# KiCad board AurisenseV2-rounded.kicad_pcb (continued)
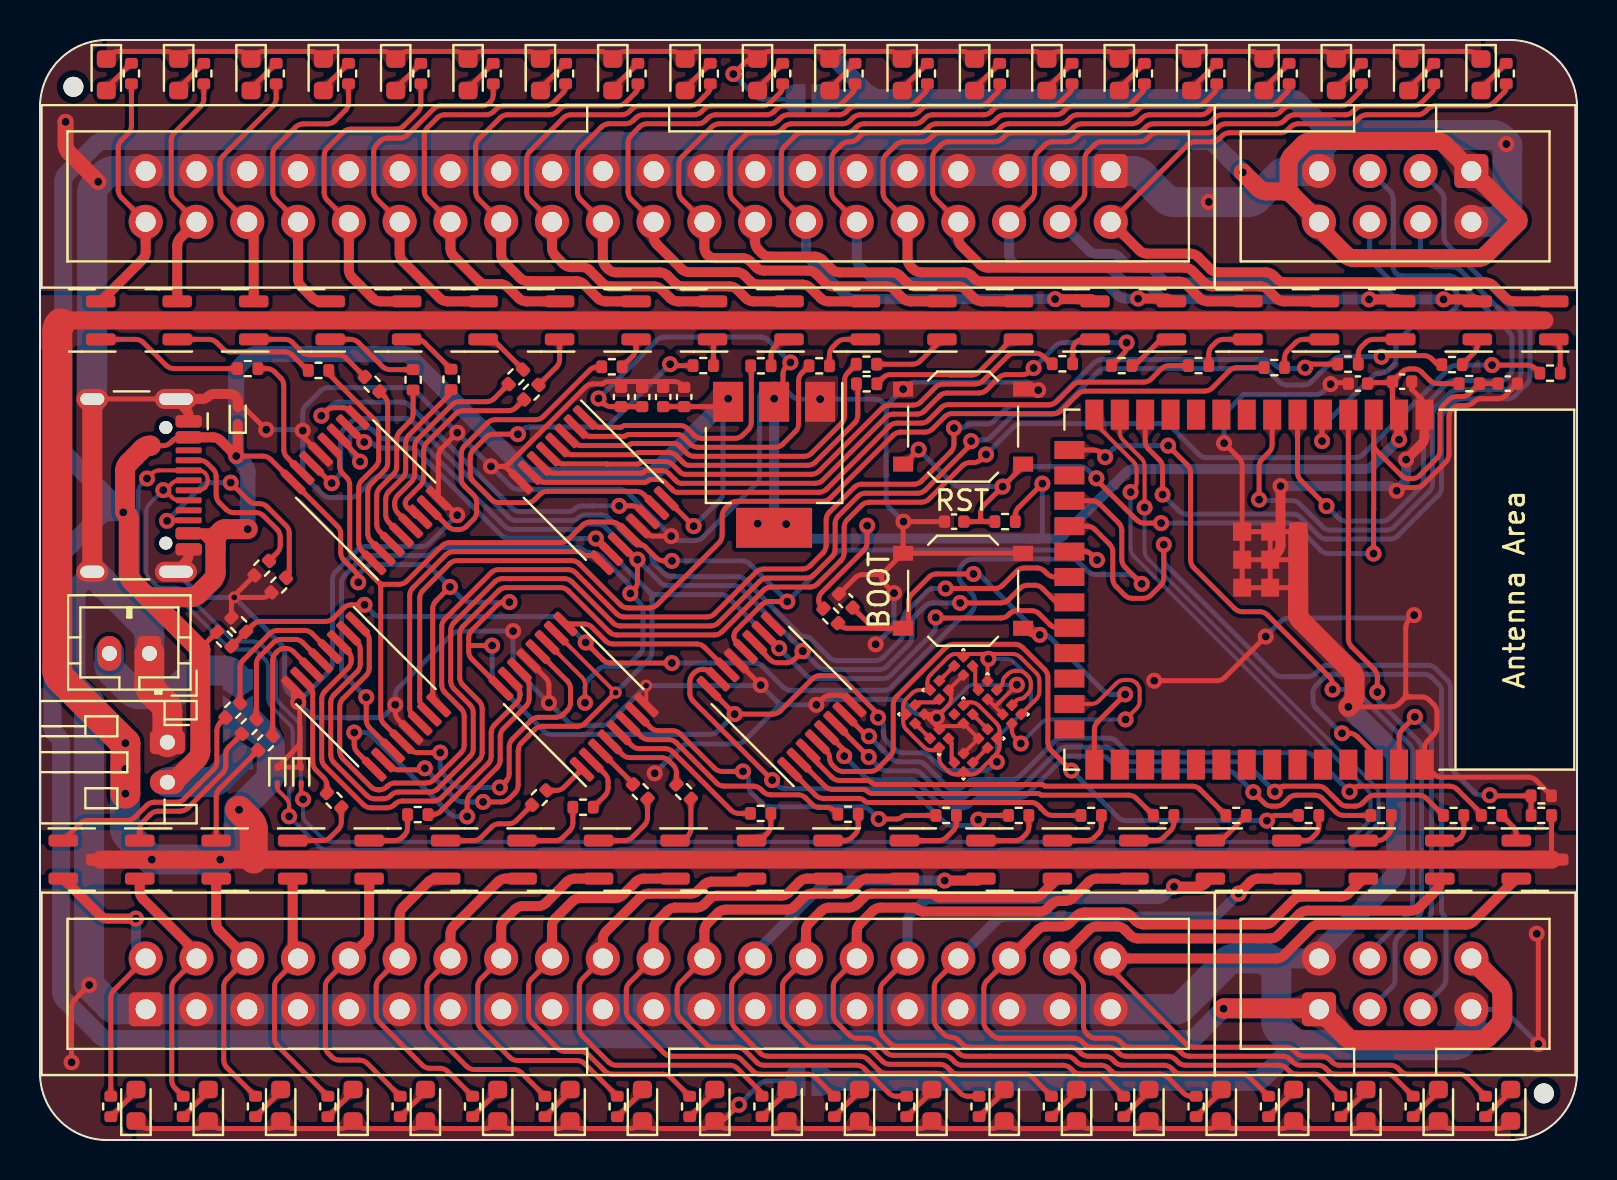
[diagram p0: board, top side]
## Nets (continued)
V Motor: JP1.2 Q1.3 Q2.3 Q3.3 Q4.3 Q5.3 Q6.3 Q7.3 Q8.3 Q9.3 Q10.3 Q11.3 Q12.3 Q13.3 Q14.3 Q15.3 Q16.3 Q17.3 Q18.3 Q19.3 Q20.3 Q21.3 Q22.3 Q23.3 Q24.3 Q25.3 Q26.3 Q27.3 Q28.3 Q29.3 Q30.3 Q31.3 Q32.3 Q33.3 Q34.3 Q35.3 Q36.3 Q37.3 Q38.3 Q39.3 Q40.3 R88.2
Net-(D1-A): D1.2 R2.2
Net-(D2-A): D2.2 R4.2
Net-(D3-A): D3.2 R6.2
Net-(D4-A): D4.2 R8.2
Net-(D5-A): D5.2 R10.2
Net-(D6-A): D6.2 R12.2
Net-(D7-A): D7.2 R14.2
Net-(D8-A): D8.2 R16.2
Net-(D9-A): D9.2 R18.2
Net-(D10-A): D10.2 R20.2
Net-(D11-A): D11.2 R22.2
Net-(D12-A): D12.2 R24.2
Net-(D13-A): D13.2 R26.2
Net-(D14-A): D14.2 R28.2
Net-(D15-A): D15.2 R30.2
Net-(D16-A): D16.2 R32.2
Net-(D17-A): D17.2 R34.2
Net-(D18-A): D18.2 R36.2
Net-(D19-A): D19.2 R38.2
Net-(D20-A): D20.2 R40.2
Net-(D21-A): D21.2 R42.2
Net-(D22-A): D22.2 R44.2
Net-(D23-A): D23.2 R46.2
Net-(D24-A): D24.2 R48.2
Net-(D25-A): D25.2 R50.2
Net-(D26-A): D26.2 R52.2
Net-(D27-A): D27.2 R54.2
Net-(D28-A): D28.2 R56.2
Net-(D29-A): D29.2 R59.2
Net-(D30-A): D30.2 R61.2
Net-(D31-A): D31.2 R63.2
Net-(D32-A): D32.2 R65.2
Net-(D37-A): D37.2 R78.2
Net-(D38-A): D38.2 R79.2
Net-(D39-A): D39.2 R80.2
Net-(D40-A): D40.2 R81.2
Net-(D41-A): D41.2 R82.2
Net-(D42-A): D42.2 R83.2
Net-(D43-A): D43.2 R84.2
Net-(D44-A): D44.2 R85.2
Net-(Q1-G): Q1.1 R1.2
Net-(Q2-G): Q2.1 R3.2
Net-(Q3-G): Q3.1 R5.2
Net-(Q4-G): Q4.1 R7.2
Net-(Q5-G): Q5.1 R9.2
Net-(Q6-G): Q6.1 R11.2
Net-(Q7-G): Q7.1 R13.2
Net-(Q8-G): Q8.1 R15.2
Net-(Q9-G): Q9.1 R17.2
Net-(Q10-G): Q10.1 R19.2
Net-(Q11-G): Q11.1 R21.2
Net-(Q12-G): Q12.1 R23.2
Net-(Q13-G): Q13.1 R25.2
Net-(Q14-G): Q14.1 R27.2
Net-(Q15-G): Q15.1 R29.2
Net-(Q16-G): Q16.1 R31.2
Net-(Q17-G): Q17.1 R33.2
Net-(Q18-G): Q18.1 R35.2
Net-(Q19-G): Q19.1 R37.2
Net-(Q20-G): Q20.1 R39.2
Net-(Q21-G): Q21.1 R41.2
Net-(Q22-G): Q22.1 R43.2
Net-(Q23-G): Q23.1 R45.2
Net-(Q24-G): Q24.1 R47.2
Net-(Q25-G): Q25.1 R49.2
Net-(Q26-G): Q26.1 R51.2
Net-(Q27-G): Q27.1 R53.2
Net-(Q28-G): Q28.1 R55.2
Net-(Q29-G): Q29.1 R57.2
Net-(Q30-G): Q30.1 R60.2
Net-(Q31-G): Q31.1 R62.2
Net-(Q32-G): Q32.1 R64.2
Net-(Q33-G): Q33.1 R70.2
Net-(Q34-G): Q34.1 R71.2
Net-(Q35-G): Q35.1 R72.2
Net-(Q36-G): Q36.1 R73.2
Net-(Q37-G): Q37.1 R74.2
Net-(Q38-G): Q38.1 R75.2
Net-(Q39-G): Q39.1 R76.2
Net-(Q40-G): Q40.1 R77.2
Net-(U2-QA): R1.1 U2.15
Net-(U2-QB): R3.1 U2.1
Net-(U2-QC): R5.1 U2.2
Net-(U2-QD): R7.1 U2.3
Net-(U2-QE): R9.1 U2.4
Net-(U2-QF): R11.1 U2.5
Net-(U2-QG): R13.1 U2.6
Net-(U2-QH): R15.1 U2.7
Net-(U4-QA): R70.1 U4.15
Net-(U4-QB): R71.1 U4.1
Net-(U4-QC): R72.1 U4.2
Net-(U4-QD): R73.1 U4.3
Net-(U4-QE): R74.1 U4.4
Net-(U4-QF): R75.1 U4.5
Net-(U4-QG): R76.1 U4.6
Net-(U4-QH): R77.1 U4.7
Net-(U5-DOUT): U5.1 U7.4
Net-(U6-QA): R17.1 U6.15
Net-(U6-QB): R19.1 U6.1
Net-(U6-QC): R21.1 U6.2
Net-(U6-QD): R23.1 U6.3
Net-(U6-QE): R25.1 U6.4
Net-(U6-QF): R27.1 U6.5
Net-(U6-QG): R29.1 U6.6
Net-(U6-QH): R31.1 U6.7
Net-(U7-DOUT): U7.1 U8.4
Net-(U9-QA): R33.1 U9.15
Net-(U9-QB): R35.1 U9.1
Net-(U9-QC): R37.1 U9.2
Net-(U9-QD): R39.1 U9.3
Net-(U9-QE): R41.1 U9.4
Net-(U9-QF): R43.1 U9.5
Net-(U9-QG): R45.1 U9.6
Net-(U9-QH): R47.1 U9.7
Net-(U10-DIN): U8.1 U10.4
Net-(U10-DOUT): U10.1 U12.4
Net-(U11-QA): R49.1 U11.15
Net-(U11-QB): R51.1 U11.1
Net-(U11-QC): R53.1 U11.2
Net-(U11-QD): R55.1 U11.3
Net-(U11-QE): R57.1 U11.4
Net-(U11-QF): R60.1 U11.5
Net-(U11-QG): R62.1 U11.6
Net-(U11-QH): R64.1 U11.7
Net-(U12-DOUT): U12.1 U13.4
Net-(U13-DOUT): U13.1 U14.4
Net-(U14-DOUT): U14.1 U15.4
Net-(U15-DOUT): U15.1 U16.4

Pads without a net: J1 A8 B8; U1 8 9 10 11 16 23 24 26 28 29 30 31 32 33 34 35 36 37; U16 1

## Via types
v1: diameter 0.8, hole 0.4, Top to Bottom, 158 vias
v2: diameter 0.6, hole 0.3, Top to Bottom, 3 vias

## Routing (per net, layer and track width the routed paths; a pad name or vN(x,y) marks a point on that pad's centre or on a via; arc(x,y) is an arc through that point)
5V Monitoring: length 59.6
  Top w0.25: R86.1 R87.1 10.66,25.77 arc(10.84,25.89) 11.05,25.93 14.28,25.93 arc(14.49,25.97) 14.67,26.09 15.18,26.6 arc(15.36,26.72) 15.57,26.76 v1(16.23,26.76) ; U1.17 52.61,31.96 arc(52.82,31.92) 53,31.8 53.94,30.86 arc(54.06,30.68) 54.1,30.47 54.1,29.03 arc(54.14,28.82) 54.26,28.64 v1(55.1,27.81) ; v1(31.6,23.85) 28.54,23.85 arc(28.34,23.89) 28.16,24.01 v1(27.29,24.88)
  Bottom w0.25: v1(55.1,27.81) 54.79,28.12 arc(54.61,28.23) 54.4,28.27 52.78,28.27 arc(52.58,28.32) 52.4,28.43 51.95,28.89 arc(51.77,29) 51.56,29.04 46.62,29.04 arc(46.42,29) 46.24,28.89 46.12,28.76 arc(46,28.59) 45.96,28.38 45.96,28.2 arc(46,27.99) 46.12,27.81 46.58,27.35 arc(46.7,27.17) 46.74,26.96 46.74,26.78 arc(46.7,26.57) 46.58,26.39 46.4,26.22 arc(46.3,26.15) 46.19,26.13 arc(46.08,26.11) 45.98,26.04 42.58,22.64 arc(42.41,22.53) 42.2,22.48 37.55,22.48 arc(37.34,22.53) 37.17,22.64 36.12,23.69 arc(35.94,23.81) 35.73,23.85 v1(31.6,23.85) ; v1(16.23,26.76) 16.66,26.33 arc(16.84,26.21) 17.04,26.17 25.77,26.17 arc(25.98,26.13) 26.16,26.01 v1(27.29,24.88)
+3V3: length 77.8
  Top w0.25: 29.13,36.67 C5.1 ; 29.13,36.67 28.99,36.67 ; 29.13,36.67 arc(29.07,36.66) 29.01,36.62 ; 29.01,36.62 28.96,36.57 ; 29.01,36.62 arc(29.02,36.65) 28.99,36.67 ; v1(37.53,38.88) 37.31,38.66 arc(37.2,38.49) 37.15,38.28 37.15,37.58 arc(37.11,37.37) 36.99,37.2 U3.2 ; R68.1 48.78,30.92 48.78,31.31 arc(48.83,31.48) 48.93,31.62 v1(50.13,32.82) 50.12,32.82 ; 66.52,37.87 67.55,37.87 arc(67.59,37.88) 67.61,37.89 67.64,37.92 arc(67.64,37.92) 67.64,37.92 arc(67.64,37.93) 67.64,37.93 68.11,38.4 arc(68.28,38.51) 68.49,38.55 68.71,38.55 arc(68.91,38.51) 69.09,38.4 69.51,37.98 arc(69.68,37.86) 69.89,37.82 R58.1 ; R69.1 39.06,26.69 arc(38.97,26.82) 38.94,26.98 38.94,27.02 arc(38.98,27.21) 39.09,27.38 41.2,29.49 arc(41.32,29.67) 41.36,29.88 v1(41.36,30.72) ; 67.63,37.98 67.63,37.05 ; 67.63,37.98 67.63,37.81 ; 67.63,37.98 arc(67.62,38) 67.61,37.99 ; 67.63,37.98 arc(67.62,38) 67.61,37.99 ; 28.99,36.67 28.56,36.67 arc(28.36,36.71) 28.18,36.83 v1(27.93,37.08) ; 67.63,37.05 67.63,36.99 ; 67.63,37.05 67.63,37.07 ; 67.63,37.05 67.63,36.99 ; 67.63,36.99 67.63,36.81 arc(67.67,36.62) 67.78,36.45 67.97,36.27 arc(67.97,36.27) 67.97,36.26 ; 67.61,37.99 67.58,37.97
  Top w0.5: v1(67.96,35.02) 67.96,36.26 arc(67.96,36.26) 67.97,36.26
  Bottom w0.25: v1(27.93,37.08) 30.84,39.99 arc(31.02,40.11) 31.22,40.15 36.03,40.15 arc(36.24,40.11) 36.42,39.99 v1(37.53,38.88) ; v1(41.36,30.72) 41.36,30.27 arc(41.43,30.13) 41.6,30.07 ; 49.47,30.07 49.93,30.07 arc(50.07,30.13) 50.13,30.27 v1(50.13,32.82)
  Bottom w0.5: v1(36.71,37.07) 36.71,31.62 ; 36.71,31.62 arc(36.75,31.42) 36.86,31.25 ; 36.71,31.62 arc(36.67,31.41) 36.55,31.24 ; 49.81,30.07 41.16,30.07 ; 49.81,30.07 50.79,30.07 arc(51,30.11) 51.17,30.23 53.69,32.74 arc(53.69,32.74) 53.69,32.75 arc(53.69,32.75) 53.69,32.75 54.33,33.39 arc(54.5,33.5) 54.71,33.54 66.26,33.54 arc(66.47,33.59) 66.65,33.7 v1(67.96,35.02) ; 49.81,30.07 arc(49.86,30.07) 49.91,30.07 ; 36.86,31.25 v1(37.31,30.79) 37.88,30.23 arc(38.06,30.11) 38.26,30.07 41.16,30.07 ; 36.86,31.25 arc(36.71,31.31) 36.55,31.24 ; 36.55,31.24 36.23,30.91 arc(36.13,30.84) 36.01,30.82 v1(35.89,30.82) ; 41.16,30.07 arc(41.31,30.13) 41.36,30.27
+5V: length 410.6
  Top w0.2: 47.39,24.3 46.41,24.3 arc(46.32,24.28) 46.24,24.23 arc(46.18,24.2) 46.11,24.23 arc(46.04,24.28) 45.95,24.3 45.79,24.3 arc(45.59,24.26) 45.41,24.14 44.54,23.27 arc(44.42,23.09) 44.38,22.88 44.38,22.73 arc(44.39,22.64) 44.44,22.57 arc(44.45,22.52) 44.42,22.5 43.99,22.5 arc(43.79,22.46) 43.61,22.34 43.33,22.06 arc(43.21,21.88) 43.17,21.67 43.17,21.52 arc(43.18,21.43) 43.23,21.36 arc(43.26,21.29) 43.23,21.22 arc(43.18,21.15) 43.17,21.06 43.17,20.91 arc(43.21,20.7) 43.33,20.52 44.2,19.65 arc(44.38,19.53) 44.59,19.49 44.74,19.49 arc(44.83,19.5) 44.9,19.55 arc(44.95,19.56) 44.97,19.53 44.97,19.1 arc(45.01,18.9) 45.13,18.72 45.42,18.43 arc(45.59,18.31) 45.8,18.27 45.96,18.27 arc(46.04,18.29) 46.12,18.34 arc(46.18,18.37) 46.25,18.34 arc(46.32,18.29) 46.41,18.27 46.57,18.27 arc(46.78,18.31) 46.95,18.43 47.64,19.12 ; 47.39,24.3 47.44,24.3 ; 47.39,24.3 arc(47.4,24.29) 47.4,24.28 ; U5.2 49.82,22.04 arc(49.94,22.22) 49.98,22.43 49.98,22.96 arc(49.94,23.17) 49.82,23.35 49.03,24.14 arc(48.85,24.26) 48.64,24.3 47.44,24.3 ; U16.2 46.25,21.82 arc(46.32,21.87) 46.41,21.88 46.56,21.88 arc(46.77,21.84) 46.95,21.72 47.83,20.84 arc(47.95,20.67) 47.99,20.46 47.99,20.3 arc(47.97,20.22) 47.92,20.14 arc(47.89,20.08) 47.92,20.01 arc(47.97,19.93) 47.99,19.85 47.99,19.69 arc(47.95,19.48) 47.83,19.31 47.64,19.12 ; 47.64,19.12 47.64,19.12 ; 47.64,19.12 arc(47.64,19.12) 47.64,19.12 ; 47.44,24.3 arc(47.42,24.3) 47.4,24.28 ; U7.2 47.39,24.25 arc(47.39,24.27) 47.4,24.28 ; v1(47.85,18.91) 47.64,19.11 arc(47.64,19.12) 47.64,19.12
  Top w0.25: U4.16 v1(34.74,21.29) 36.64,21.29 arc(36.85,21.34) 37.02,21.45 38.63,23.06 arc(38.81,23.18) 39.01,23.22 39.76,23.22 arc(39.97,23.18) 40.15,23.06 41.85,21.36 arc(41.89,21.29) 41.91,21.21 v1(41.91,21.12) ; 21.44,24.72 21.44,24.43 arc(21.48,24.22) 21.6,24.04 U11.16 ; 21.44,24.72 21.44,24.73 ; 21.44,24.72 arc(21.44,24.72) 21.44,24.72 ; C2.1 C3.1 33.79,36.67 arc(34,36.71) 34.17,36.83 v1(34.41,37.07) ; v1(9.81,34.19) 11.15,34.19 arc(11.35,34.15) 11.53,34.04 U2.16 14.88,30.69 arc(15,30.51) 15.04,30.3 15.04,29.37 arc(15.08,29.17) 15.2,28.99 15.78,28.41 arc(15.88,28.26) 15.91,28.08 v1(15.91,27.88) ; 31.36,32.13 31.31,32.08 arc(31.31,32.08) 31.31,32.08 arc(31.31,32.07) 31.31,32.07 v1(32.69,30.69) ; R86.2 8.04,24.59 arc(8.02,24.57) 8.02,24.54 8.02,24.49 ; 5.69,34.72 6.15,34.72 arc(6.36,34.76) 6.54,34.88 6.63,34.97 arc(6.81,35.09) 7.02,35.13 7.2,35.13 ; 5.69,34.72 5.54,34.72 ; 5.69,34.72 5.54,34.72 ; v1(20.5,27.66) 19.8,26.95 arc(19.68,26.78) 19.64,26.57 19.64,22.26 arc(19.68,22.06) 19.79,21.9 U9.16 ; 21.44,24.73 21.44,25.11 arc(21.48,25.32) 21.6,25.49 22.84,26.74 arc(23.02,26.85) 23.23,26.89 v1(23.48,26.89) ; 21.44,24.73 arc(21.44,24.73) 21.44,24.72 ; 5.54,34.72 5.46,34.72 ; v1(22.61,24.72) 21.45,24.72 arc(21.45,24.72) 21.44,24.72
  Top w0.5: 8.53,29.71 8.53,28.21 arc(8.49,28.01) 8.37,27.83 7.96,27.42 arc(7.8,27.31) 7.6,27.27 5.91,27.27 arc(5.75,27.24) 5.62,27.15 5.5,27.03 ; 8.53,29.71 arc(8.58,29.92) 8.69,30.09 ; 8.53,29.71 arc(8.5,29.91) 8.39,30.07 ; D33.1 9.89,34.32 arc(9.88,34.27) 9.85,34.23 v1(9.81,34.19) 9.03,34.97 arc(8.86,35.09) 8.65,35.13 7.2,35.13 ; 9.06,30.46 9.04,30.44 ; 9.06,30.46 8.69,30.09 ; 9.06,30.46 arc(9.05,30.45) 9.04,30.44 ; 9.04,30.44 arc(8.92,30.36) 8.79,30.33 7.43,30.33 7.91,30.33 arc(8.12,30.29) 8.29,30.17 8.39,30.07 ; 8.69,30.09 arc(8.54,30.02) 8.39,30.07
  Top w0.9: 62.24,47.43 61.33,47.43 arc(61.12,47.47) 60.95,47.59 v1(60.15,48.38) ; 62.24,47.43 arc(62.38,47.5) 62.44,47.65 ; 62.24,47.43 arc(62.43,47.39) 62.6,47.27 ; 63.96,45.61 65.31,44.25 arc(65.49,44.14) 65.7,44.09 71.92,44.09 arc(72.13,44.14) 72.3,44.25 73.9,45.85 arc(73.96,45.99) 73.9,46.13 J6.1 70.24,49.79 arc(70.06,49.91) 69.85,49.95 63.56,49.95 arc(63.35,49.91) 63.18,49.79 62.6,49.21 arc(62.48,49.03) 62.44,48.83 62.44,47.65 ; 62.6,47.27 J6.8 ; 62.6,47.27 arc(62.48,47.45) 62.44,47.65
  Top w1: 5.54,34.72 5.45,34.72 arc(5.3,34.69) 5.17,34.6 4.41,33.84 arc(4.29,33.66) 4.25,33.46 4.25,31.52 arc(4.28,31.39) 4.34,31.29 arc(4.41,31.18) 4.44,31.06 4.44,28.32 arc(4.48,28.11) 4.6,27.94 5.24,27.3 ; 5.56,27.14 7.54,27.14 arc(7.75,27.18) 7.92,27.3 8.62,28 arc(8.74,28.17) 8.78,28.38 8.78,30 arc(8.82,30.17) 8.91,30.31 9.04,30.44 arc(9.16,30.52) 9.3,30.54 ; 5.56,27.14 arc(5.4,27.18) 5.24,27.3 ; 5.56,27.14 arc(5.51,27.08) 5.56,26.97 ; 5.24,27.3 5.56,26.97 ; 9.3,30.54 v1(10.39,30.54) ; 9.3,30.54 arc(9.16,30.52) 9.06,30.46 ; J7.8 72.97,7.69 arc(73.09,7.51) 73.13,7.3 73.13,6.1 arc(73.09,5.9) 72.97,5.72 72.4,5.15 arc(72.22,5.03) 72.01,4.99 65.73,4.99 arc(65.53,5.03) 65.35,5.15 63.93,6.56 arc(63.91,6.58) 63.88,6.58 59.22,6.58 arc(59.21,6.58) 59.2,6.58 v1(59.19,6.56) ; J3.2 6.53,17.89 arc(6.68,17.92) 6.8,18 7.86,19.06 arc(7.98,19.24) 8.02,19.45 8.02,24.49 arc(8.01,24.51) 8,24.53 ; 5.56,26.97 8,24.53 ; 8,24.53 arc(8.01,24.53) 8.02,24.54
  Bottom w0.2: v1(47.85,18.91) 47.85,19.87 arc(47.89,20.07) 48.01,20.25 49.39,21.63 arc(49.51,21.81) 49.55,22.02 49.55,22.82 arc(49.51,23.03) 49.39,23.21 48.7,23.9 arc(48.52,24.02) 48.32,24.06 v1(47.43,24.06)
  Bottom w0.25: v1(22.61,24.72) 22.61,23.25 arc(22.65,23.05) 22.77,22.87 25.2,20.44 arc(25.37,20.32) 25.58,20.28 33.5,20.28 arc(33.71,20.32) 33.88,20.44 v1(34.74,21.29) ; v1(32.69,30.69) 34,32.01 arc(34.12,32.18) 34.16,32.39 34.16,36.63 arc(34.19,36.8) 34.29,36.94 v1(34.41,37.07) ; v1(47.85,18.91) 47.57,18.63 arc(47.4,18.51) 47.19,18.47 45.42,18.47 arc(45.21,18.51) 45.03,18.63 44.46,19.2 arc(44.29,19.32) 44.08,19.36 43.15,19.36 arc(42.94,19.4) 42.76,19.52 42.34,19.94 arc(42.22,20.12) 42.18,20.33 42.18,20.66 arc(42.15,20.84) 42.05,20.99 v1(41.91,21.12) ; v1(23.48,26.89) 21.48,26.89 arc(21.28,26.94) 21.1,27.05 v1(20.5,27.66) 19.54,28.61 arc(19.37,28.73) 19.16,28.77 16.64,28.77 arc(16.43,28.73) 16.25,28.61 16.05,28.41 arc(15.95,28.26) 15.91,28.08 v1(15.91,27.88)
  Bottom w0.5: v1(10.39,30.54) 10.39,30.55
  Bottom w0.8: v1(34.41,37.07) 30.76,33.42 arc(30.59,33.3) 30.38,33.26 24.66,33.26 arc(24.45,33.3) 24.27,33.42 18.56,39.14 arc(18.38,39.25) 18.17,39.29 10.81,39.29 arc(10.61,39.25) 10.43,39.14 9.97,38.68 arc(9.86,38.5) 9.81,38.29 v1(9.81,34.19) 10.22,33.78 arc(10.34,33.61) 10.38,33.4 10.38,30.55 arc(10.38,30.55) 10.39,30.55
  Bottom w0.9: v1(60.15,48.38) 58.74,49.79 arc(58.57,49.91) 58.36,49.95 3.19,49.95 arc(2.99,49.91) 2.81,49.79 1.32,48.3 arc(1.21,48.13) 1.16,47.92 1.16,34.61 arc(1.21,34.4) 1.32,34.22 v1(4.16,31.38) 3.4,31.38 arc(3.19,31.34) 3.02,31.22 0.78,28.98 arc(0.66,28.81) 0.62,28.6 0.62,20.67 arc(0.66,20.47) 0.78,20.29 0.9,20.17 arc(1.02,19.99) 1.06,19.78 1.06,7.39 arc(1.1,7.19) 1.22,7.01 3.03,5.2 arc(3.21,5.08) 3.42,5.04 57.43,5.04 arc(57.64,5.08) 57.82,5.2 v1(59.19,6.56)
  Bottom w1.5: JP1.1 8.9,18.05 arc(8.72,17.93) 8.51,17.89 J3.2
GND: length 679.4
  Top w0.2: 47.76,21.67 47.76,21.67 ; 47.76,21.67 U5.3 ; 47.76,21.67 arc(47.76,21.67) 47.76,21.67 ; 47.76,21.67 arc(47.76,21.67) 47.76,21.67 v1(48.85,22.76) ; 47.76,21.67 U7.3 ; 45.5,22.57 U8.3 ; 45.5,22.57 arc(45.47,22.5) 45.5,22.43 ; 45.5,22.57 arc(45.47,22.5) 45.5,22.43 ; v2(30.31,22.72) 30.32,22.72 arc(30.32,22.71) 30.32,22.71 U11.8 ; U14.3 U15.3 46.25,20.76 arc(46.18,20.79) 46.11,20.76 arc(46.04,20.71) 45.95,20.7 45.24,20.7 arc(45.13,20.68) 45.05,20.62 arc(44.97,20.59) 44.89,20.62 U12.3 44.75,21.29 arc(44.96,21.33) 45.13,21.45 45.4,21.72 arc(45.52,21.9) 45.56,22.1 45.56,22.27 arc(45.55,22.36) 45.5,22.43 ; 45.5,22.43 45.59,22.34
  Top w0.25: R67.1 11.45,27.26 arc(11.31,27.16) 11.14,27.13 v2(9.71,27.13) ; J1.S1 2.61,37.05 ; 42.2,28.38 43.15,29.33 arc(43.16,29.34) 43.16,29.34 ; 42.2,28.38 arc(42.08,28.3) 41.94,28.27 ; 42.2,28.38 arc(42.12,28.26) 42.09,28.12 ; R89.2 74.82,17.98 arc(74.64,18.1) 74.43,18.14 70.09,18.14 arc(69.88,18.18) 69.7,18.3 U1.40 69.24,19.58 arc(69.28,19.79) 69.4,19.96 69.7,20.27 arc(69.82,20.44) 69.86,20.65 69.86,21.39 arc(69.82,21.6) 69.7,21.77 69.48,22 arc(69.3,22.11) 69.09,22.16 68.52,22.16 ; v1(17.76,21.76) 17.76,21.39 arc(17.81,21.18) 17.92,21.01 U9.13 ; v1(43.16,37.54) 43.01,37.39 ; 74.93,5.09 74.93,10.18 arc(74.92,10.23) 74.89,10.27 v1(74.85,10.31) ; v1(61.3,25.17) 59.25,23.12 arc(59.07,23.01) 58.86,22.96 v1(55.72,22.96) ; U6.8 23.43,33.52 arc(23.26,33.64) 23.05,33.68 v1(22.55,33.68) 23.09,33.68 arc(23.29,33.72) 23.47,33.84 27.28,37.65 arc(27.45,37.76) 27.66,37.8 28.09,37.8 arc(28.17,37.82) 28.23,37.86 arc(28.3,37.91) 28.38,37.92 31.71,37.92 arc(31.91,37.89) 32.07,37.78 C3.2 ; U1.41 U1.41 ; v1(59.21,34.84) 59.96,34.1 arc(60.08,33.92) 60.12,33.71 U1.41 ; D35.1 11.86,18.64 arc(11.86,18.64) 11.86,18.65 12.83,19.61 ; 12.99,20 12.99,19.61 ; 12.99,20 12.99,21.77 arc(12.98,21.81) 12.95,21.86 v1(12.91,21.89) 12.79,22.02 arc(12.7,22.15) 12.67,22.31 U9.8 ; 12.99,20 arc(12.95,19.79) 12.83,19.61 ; 12.99,19.61 12.99,18.77 arc(13,18.72) 13.03,18.68 arc(13.03,18.66) 13.01,18.64 11.87,18.64 arc(11.87,18.64) 11.87,18.64 11.87,18.64 ; 12.99,19.61 arc(12.93,19.65) 12.83,19.61 ; SW1.1 49.83,37.54 arc(49.87,37.54) 49.89,37.52 v1(49.92,37.49) ; 68.59,37.54 68.59,38.02 ; 68.59,37.54 arc(68.59,37.54) 68.6,37.54 ; 68.59,37.54 arc(68.59,37.54) 68.6,37.54 ; v1(2.46,7.75) 1.74,7.03 arc(1.62,6.85) 1.58,6.64 v1(1.58,3.88) ; U1.41 U1.41 ; U2.13 13.24,35.08 arc(13.17,35.2) 13.14,35.33 v1(13.14,35.47) ; D33.2 10.04,36.64 arc(10.18,36.61) 10.3,36.53 v1(11.31,35.52) ; 64.53,37.97 64.53,37.96 arc(64.54,37.95) 64.54,37.95 v1(64.54,37.79) 64.58,37.83 arc(64.62,37.86) 64.67,37.87 65.56,37.87 ; v1(65.43,21.66) 67.57,21.66 arc(67.78,21.7) 67.96,21.81 68.14,22 ; v1(42.71,27.34) 42.2,27.86 arc(42.12,27.98) 42.09,28.12 ; v2(9.71,27.13) 9.71,27.17 arc(9.72,27.21) 9.74,27.25 R66.1 ; v2(9.71,27.13) 9.64,27.06 arc(9.59,26.98) 9.58,26.89 R87.2 ; 43.17,29.34 43.16,29.34 ; 43.17,29.34 SW2.1 ; 43.17,29.34 arc(43.17,29.34) 43.16,29.34 ; 43.16,29.34 arc(43.16,29.34) 43.16,29.34 ; U6.13 30.28,30.35 arc(30.45,30.24) 30.66,30.19 v1(31.56,30.19) ; v1(36.04,22.74) 36.04,22.75 arc(36.04,22.75) 36.04,22.75 U4.13 ; C6.1 68.6,37.55 arc(68.6,37.54) 68.6,37.54 ; 68.6,37.54 69.08,37.05 arc(69.2,36.88) 69.24,36.67 69.24,36.03 ; 68.6,37.54 arc(68.6,37.54) 68.6,37.54 ; v1(20.87,35.36) 20.08,34.58 arc(19.96,34.4) 19.92,34.19 19.92,32.13 arc(19.94,32.09) 19.98,32.08 arc(20.03,32.07) 20.07,32.04 v1(20.86,31.24) ; C9.2 40.76,28.11 arc(40.94,28.23) 41.15,28.27 41.94,28.27 ; 43.16,29.34 43.16,30.89 arc(43.17,30.9) 43.17,30.91 v1(43.18,30.92) 43.94,30.92 C8.2 ; U1.41 U1.41 U1.41 U1.41 U1.41 ; 68.14,22 arc(68.26,22.17) 68.3,22.35 ; 68.14,22 arc(68.32,22.11) 68.52,22.16 ; v1(68.72,26.24) 68.46,25.98 arc(68.34,25.81) 68.3,25.6 68.3,22.35 ; v1(25.45,21.86) 25.45,22.72 arc(25.41,22.93) 25.29,23.11 U11.13 ; 41.94,28.27 arc(42.04,28.22) 42.09,28.12 ; v1(38.82,21.76) 39.15,22.08 arc(39.32,22.2) 39.53,22.24 40,22.24 arc(40.21,22.2) 40.38,22.08 U4.8 ; 68.52,22.16 arc(68.37,22.21) 68.3,22.35 ; v1(67.84,32.46) 67.92,32.54 arc(68.01,32.6) 68.11,32.62 68.8,32.62 arc(69.01,32.66) 69.19,32.78 70.3,33.9 arc(70.42,34.07) 70.46,34.28 70.46,36.15 arc(70.5,36.36) 70.62,36.54 70.65,36.57 arc(70.83,36.68) 71.04,36.72 71.3,36.72 arc(71.51,36.77) 71.69,36.88 71.71,36.9 arc(71.89,37.02) 72.1,37.06 72.91,37.06 arc(73.11,37.11) 73.29,37.22 73.88,37.81 arc(73.88,37.81) 73.88,37.82 C1.2
  Top w0.5: 7.43,35.93 7.43,36.19 arc(7.39,36.4) 7.27,36.57 J1.S1 8.11,37.05 arc(8.28,37.09) 8.41,37.18 arc(8.55,37.27) 8.72,37.3 9.49,37.3 arc(9.64,37.27) 9.77,37.19 arc(9.86,37.06) 9.89,36.9 D33.2 ; 7.43,29.53 7.43,29.28 arc(7.39,29.07) 7.27,28.89 J1.S1 ; 69.24,36.03 69.24,35.17 arc(69.2,34.96) 69.08,34.78 v1(68.31,34.02) ; U1.41 61.88,29.38 arc(62,29.55) 62.04,29.76 v1(62.04,32.69)
  Top w0.8: v1(1.28,50.91) 1.28,49.76 arc(1.32,49.56) 1.44,49.38 v1(2.91,47.91)
  Top w1: U1.41 62.92,26.23 ; 62.92,26.23 arc(62.96,26.1) 63.08,25.96 ; 62.92,26.23 arc(62.92,26.29) 62.92,26.34 ; U1.41 62.92,26.34 ; 62.92,26.34 arc(62.96,26.13) 63.08,25.96 ; 63.08,25.96 65.58,23.45 arc(65.7,23.28) 65.74,23.07 65.74,22.18 arc(65.7,21.98) 65.58,21.81 v1(65.43,21.66) ; 2.61,37.05 2.61,28.41
  Top w1.5: J2.1 5.47,22.79 arc(5.51,22.58) 5.63,22.41 6.21,21.82 arc(6.33,21.65) 6.37,21.44 J3.1
  Bottom w0.2: v1(48.85,22.76) 46.72,22.76 arc(46.52,22.72) 46.34,22.6 v1(44.85,21.11) 44.78,21.19 arc(44.7,21.24) 44.6,21.26
  Bottom w0.25: v1(59.21,34.84) 59.21,36.07 arc(59.26,36.28) 59.37,36.45 60.2,37.28 arc(60.21,37.29) 60.23,37.28 arc(60.24,37.27) 60.26,37.27 63.78,37.27 arc(63.99,37.31) 64.17,37.42 v1(64.54,37.79) ; v1(13.14,35.47) 13.11,35.49 arc(13.09,35.51) 13.05,35.52 v1(11.31,35.52) ; v1(13.14,35.47) 13.14,33.49 arc(13.18,33.29) 13.3,33.11 14.13,32.28 arc(14.31,32.16) 14.51,32.12 15.51,32.12 arc(15.72,32.16) 15.9,32.28 16.65,33.04 arc(16.83,33.15) 17.04,33.19 18.69,33.19 arc(18.9,33.15) 19.07,33.04 v1(20.86,31.24) 19.45,29.83 arc(19.27,29.71) 19.06,29.67 16.26,29.67 arc(16.06,29.63) 15.88,29.51 14.79,28.42 arc(14.67,28.24) 14.63,28.03 14.63,23.83 arc(14.59,23.62) 14.47,23.45 v1(12.91,21.89) ; v1(13.14,35.47) 13.14,36.34 arc(13.18,36.55) 13.3,36.73 14.03,37.46 arc(14.21,37.58) 14.41,37.62 18.39,37.62 arc(18.6,37.58) 18.77,37.46 v1(20.87,35.36) v1(22.55,33.68) 23.54,32.69 arc(23.72,32.58) 23.92,32.53 29,32.53 arc(29.21,32.49) 29.38,32.38 v1(31.56,30.19) 31.68,30.08 arc(31.8,30) 31.95,29.97 32.76,29.97 arc(32.97,30.01) 33.15,30.13 35.83,32.81 arc(35.95,32.99) 35.99,33.19 35.99,37.14 arc(36.03,37.35) 36.15,37.53 36.25,37.64 arc(36.43,37.75) 36.64,37.79 36.79,37.79 arc(37,37.75) 37.17,37.64 37.6,37.2 arc(37.78,37.09) 37.99,37.04 v1(39.01,37.04) 41.74,37.04 arc(41.95,37) 42.12,36.89 42.17,36.84 ; v1(61.3,25.17) 62.07,25.95 arc(62.25,26.06) 62.45,26.1 68.48,26.1 arc(68.57,26.12) 68.65,26.17 v1(68.72,26.24) ; 42.17,36.84 arc(42.32,36.78) 42.47,36.85 ; 42.17,36.84 arc(42.28,36.67) 42.31,36.47 ; v1(42.71,27.34) 42.71,25.93 arc(42.67,25.72) 42.55,25.55 v1(41.79,24.78) ; v1(43.18,30.92) 42.47,31.63 arc(42.36,31.8) 42.31,32.01 42.31,36.47 ; 36.88,21.62 35.23,19.96 arc(35.05,19.85) 34.85,19.8 32.43,19.8 arc(32.23,19.76) 32.05,19.65 v1(30.74,18.34) ; 36.88,21.62 arc(36.94,21.76) 36.87,21.92 ; 36.88,21.62 arc(37.05,21.72) 37.25,21.76 ; J7.7 72.96,6.54 arc(73.17,6.49) 73.35,6.38 v1(74.93,4.8) ; v1(12.91,21.89) 12.4,22.41 arc(12.28,22.59) 12.24,22.79 12.24,24.36 arc(12.2,24.57) 12.08,24.75 11.48,25.34 arc(11.48,25.35) 11.48,25.36 arc(11.48,25.36) 11.47,25.37 v2(9.71,27.13) 8.3,27.13 arc(8.1,27.17) 7.92,27.29 J1.S1 ; v1(12.91,21.89) 13.54,21.27 arc(13.71,21.15) 13.92,21.11 16.89,21.11 arc(17.1,21.15) 17.27,21.27 v1(17.76,21.76) 17.76,22.22 arc(17.81,22.43) 17.92,22.6 20.61,25.29 arc(20.78,25.4) 20.99,25.45 v1(23.66,25.45) 23.66,23.88 arc(23.7,23.67) 23.82,23.49 v1(25.45,21.86) 26.42,20.89 arc(26.59,20.77) 26.8,20.73 28.1,20.73 arc(28.31,20.77) 28.49,20.89 v2(30.31,22.72) 36,22.72 arc(36.01,22.72) 36.03,22.73 v1(36.04,22.74) 36.87,21.92 ; 44.6,21.26 44.08,21.26 arc(43.87,21.3) 43.69,21.42 43.24,21.87 arc(43.06,21.99) 42.85,22.03 39.29,22.03 arc(39.11,22) 38.96,21.9 v1(38.82,21.76) 37.25,21.76 ; v1(49.92,37.49) 49.68,37.73 arc(49.5,37.85) 49.29,37.89 43.74,37.89 arc(43.53,37.85) 43.35,37.73 v1(43.16,37.54) 42.47,36.85 ; 36.87,21.92 arc(37.04,21.8) 37.25,21.76 ; 42.47,36.85 arc(42.36,36.68) 42.31,36.47
  Bottom w0.5: v1(68.31,34.02) 68.31,33.16 arc(68.27,32.95) 68.15,32.77 v1(67.84,32.46) 67.73,32.58 arc(67.6,32.66) 67.45,32.69 v1(62.04,32.69)
  Bottom w0.8: 39.64,54.12 41.56,52.2 arc(41.74,52.09) 41.95,52.05
  Bottom w1: 41.56,52.05 JP2.1 ; 41.56,52.05 62.54,52.05 arc(62.74,52) 62.92,51.89 64.4,50.41 arc(64.57,50.29) 64.78,50.25 ; 41.56,52.05 arc(41.6,52.1) 41.56,52.2 ; 2.61,28.41 1.93,27.73 arc(1.81,27.55) 1.77,27.34 1.77,23.07 arc(1.81,22.86) 1.93,22.69 2.3,22.31 arc(2.42,22.14) 2.46,21.93 ; J7.2 61.43,9.08 arc(61.38,9.02) 61.42,8.92 ; v1(65.43,21.66) 67.65,19.43 arc(67.77,19.25) 67.81,19.04 67.81,13.46 arc(67.77,13.25) 67.65,13.07 63.96,9.38 ; JP3.1 60.76,2.95 arc(60.96,3) 61.14,3.11 62.62,4.59 arc(62.67,4.74) 62.6,4.9 ; 3.51,6.7 arc(3.69,6.58) 3.9,6.54 J5.1 J5.39 56.76,6.54 arc(56.96,6.58) 57.14,6.7
  Bottom w1.5: 2.61,37.05 2.61,47.41 arc(2.65,47.6) 2.76,47.76 v1(2.91,47.91) 3.29,48.29 arc(3.47,48.41) 3.67,48.45 J4.3 J4.1 54.68,48.45 arc(54.89,48.41) 55.06,48.29 56.3,47.05 arc(56.48,46.94) 56.68,46.89 58.43,46.89 arc(58.44,46.9) 58.44,46.9 v1(58.45,46.91) 58.45,46.9 arc(58.46,46.9) 58.47,46.89 60.42,46.89 arc(60.63,46.94) 60.81,47.05 62.04,48.29 arc(62.22,48.41) 62.43,48.45 J6.7 63.96,49.43 arc(64,49.63) 64.12,49.81 64.42,50.11 ; 56.86,6.54 3.79,6.54 ; 56.86,6.54 arc(56.81,6.54) 56.76,6.54 ; 56.86,6.54 arc(56.99,6.58) 57.14,6.7 59.36,8.92 arc(59.54,9.03) 59.75,9.08 61.03,9.08 ; 3.79,6.54 arc(3.66,6.58) 3.51,6.7 v1(2.46,7.75) 2.46,21.93 ; 3.79,6.54 arc(3.84,6.54) 3.9,6.54 ; J2.1 5.47,25.33 arc(5.43,25.54) 5.31,25.72 2.61,28.41 ; J6.2 72.65,45.91 arc(72.86,45.95) 73.04,46.07 73.22,46.25 arc(73.34,46.43) 73.38,46.63 73.38,49.71 arc(73.37,49.75) 73.35,49.77 v1(73.33,49.8) 73.04,50.09 arc(72.86,50.21) 72.65,50.25 64.78,50.25 arc(64.58,50.21) 64.42,50.11 ; 61.03,9.08 61.43,9.08 ; 61.03,9.08 arc(61.24,9.03) 61.42,8.92 61.67,8.67 arc(61.79,8.49) 61.83,8.29 61.83,5.89 arc(61.87,5.69) 61.99,5.51 62.6,4.9 arc(62.78,4.78) 62.99,4.74 ; 62.99,4.74 70.7,4.74 arc(70.91,4.78) 71.09,4.9 71.42,5.23 arc(71.54,5.41) 71.58,5.61 J7.7 ; 62.99,4.74 arc(62.78,4.7) 62.62,4.59 ; 64.42,50.11 arc(64.47,50.25) 64.4,50.41
VIN Monitoring: length 37.2
  Top w0.25: R88.1 R89.1 72.55,17.21 arc(72.53,17.21) 72.51,17.22 v1(72.5,17.24) ; v1(56.2,29.77) 56.2,28.11 arc(56.16,27.9) 56.04,27.72 55.56,27.24 arc(55.38,27.12) 55.17,27.08 54.63,27.08 arc(54.42,27.12) 54.25,27.24 53.81,27.68 arc(53.69,27.86) 53.65,28.06 53.65,29.4 arc(53.61,29.61) 53.49,29.79 52.75,30.53 arc(52.57,30.65) 52.36,30.69 51.49,30.69 arc(51.49,30.69) 51.49,30.68 51.5,30.67
  Bottom w0.25: v1(56.2,29.77) 56.2,29.09 arc(56.24,28.88) 56.36,28.7 61.74,23.32 arc(61.92,23.2) 62.12,23.16 63.39,23.16 arc(63.6,23.2) 63.77,23.32 64.03,23.58 arc(64.21,23.7) 64.42,23.74 69.41,23.74 arc(69.62,23.7) 69.79,23.58 70.38,22.99 arc(70.5,22.82) 70.54,22.61 70.54,18.8 arc(70.58,18.6) 70.7,18.42 71.72,17.4 arc(71.9,17.28) 72.1,17.24 v1(72.5,17.24)
Chip_PU: length 49.9
  Top w0.25: 47.27,30.92 46.84,30.92 ; 47.27,30.92 R68.2 ; 47.27,30.92 arc(47.11,30.98) 47.04,31.12 ; 46.84,30.92 C8.1 ; 46.84,30.92 arc(46.98,30.98) 47.04,31.12 ; 43.16,33.79 43.19,33.79 arc(43.21,33.8) 43.23,33.81 v1(43.94,34.52) ; 66.7,34.84 66.7,36.24 arc(66.7,36.26) 66.72,36.29 66.74,36.31 ; 66.7,34.84 66.7,34.38 ; 66.7,34.84 arc(66.73,34.64) 66.81,34.5 ; 47.04,31.12 47.04,31.34 arc(47.08,31.55) 47.2,31.73 v1(48.14,32.67) 49.13,33.66 arc(49.15,33.7) 49.16,33.74 SW1.2 ; v1(56.06,30.84) 55.22,30.84 arc(55.01,30.89) 54.84,31 52.85,32.99 arc(52.83,33.02) 52.83,33.05 v1(52.83,33.09) ; 66.7,34.38 66.7,31.51 arc(66.7,31.5) 66.69,31.5 arc(66.69,31.49) 66.69,31.49 v1(66.69,29.32) ; 66.7,34.38 arc(66.74,34.48) 66.81,34.5 ; C1.1 R58.2 71.5,37.33 arc(71.33,37.22) 71.12,37.17 70.84,37.17 arc(70.64,37.13) 70.46,37.02 70.17,36.73 arc(70.05,36.55) 70.01,36.34 70.01,34.47 arc(69.97,34.26) 69.85,34.08 69,33.23 arc(68.82,33.11) 68.61,33.07 68.46,33.07 arc(68.26,33.11) 68.08,33.23 66.81,34.5
  Bottom w0.25: v1(43.94,34.52) 45.63,32.83 arc(45.81,32.71) 46.01,32.67 v1(48.14,32.67) 48.98,33.51 arc(49.16,33.63) 49.36,33.67 52.02,33.67 arc(52.23,33.63) 52.4,33.51 v1(52.83,33.09) ; v1(56.06,30.84) 62.46,30.84 arc(62.67,30.8) 62.85,30.69 64.05,29.48 arc(64.23,29.36) 64.44,29.32 v1(66.69,29.32)
D+: length 105.2
  Top w0.2: 7.43,32.98 6.94,32.98 arc(6.77,32.95) 6.62,32.85 arc(6.48,32.72) 6.33,32.61 v1(6.16,32.49) 6.33,32.37 arc(6.48,32.25) 6.62,32.12 arc(6.77,32.02) 6.94,31.98 7.43,31.98 ; v1(54.54,32.39) 54.69,32.54 arc(54.8,32.71) 54.84,32.91 54.84,33.53 arc(54.8,33.74) 54.68,33.91 52.87,35.72 arc(52.77,35.88) 52.73,36.07 U1.14 ; v1(13.16,17.04) 13.11,17.08 arc(13.08,17.13) 13.06,17.19 D34.2
  Bottom w0.2: v1(6.16,32.49) 5.47,31.8 arc(5.36,31.63) 5.31,31.42 5.31,28.44 arc(5.36,28.23) 5.47,28.05 5.75,27.77 arc(5.93,27.66) 6.14,27.61 6.77,27.61 arc(6.98,27.57) 7.15,27.45 9.52,25.08 arc(9.7,24.97) 9.91,24.92 10.69,24.92 arc(10.9,24.88) 11.07,24.77 11.65,24.18 arc(11.77,24.01) 11.81,23.8 11.81,22.23 arc(11.86,22.02) 11.97,21.85 12.88,20.94 arc(13,20.76) 13.04,20.55 13.04,17.23 arc(13.05,17.16) 13.1,17.09 v1(13.16,17.04) 13.16,16.27 arc(13.2,16.07) 13.31,15.89 14.14,15.07 arc(14.32,14.95) 14.52,14.91 65.2,14.91 arc(65.41,14.95) 65.58,15.07 66.38,15.86 arc(66.5,16.04) 66.54,16.24 66.54,17.13 arc(66.5,17.34) 66.38,17.51 54.7,29.19 arc(54.58,29.37) 54.54,29.58 v1(54.54,32.39)
D-: length 109.4
  Top w0.2: v1(55.24,31.63) 55.24,33.69 arc(55.2,33.9) 55.08,34.08 54.16,35 arc(54.04,35.18) 54,35.39 U1.13 ; v1(5.35,33.08) 5.6,33.32 arc(5.78,33.44) 5.98,33.48 7.92,33.48 arc(8.1,33.45) 8.25,33.35 arc(8.35,33.2) 8.38,33.02 8.38,32.94 arc(8.35,32.77) 8.25,32.62 arc(8.1,32.52) 7.92,32.48 7.43,32.48 ; v1(12.46,16.18) 12.46,16.71 arc(12.41,16.92) 12.3,17.1 11.96,17.43 arc(11.89,17.54) 11.86,17.67 D35.2
  Bottom w0.2: v1(5.35,33.08) 5.07,32.8 arc(4.96,32.62) 4.91,32.41 4.91,28.27 arc(4.96,28.06) 5.07,27.89 5.59,27.37 arc(5.76,27.26) 5.97,27.21 6.6,27.21 arc(6.81,27.17) 6.99,27.05 9.36,24.68 arc(9.53,24.57) 9.74,24.52 10.52,24.52 arc(10.73,24.48) 10.91,24.37 11.25,24.02 arc(11.37,23.84) 11.41,23.63 11.41,22.06 arc(11.46,21.86) 11.57,21.68 12.48,20.77 arc(12.6,20.6) 12.64,20.39 12.64,17.81 arc(12.62,17.69) 12.55,17.59 arc(12.48,17.49) 12.46,17.37 v1(12.46,16.18) 13.97,14.67 arc(14.15,14.55) 14.36,14.51 65.37,14.51 arc(65.57,14.55) 65.75,14.67 66.78,15.69 arc(66.9,15.87) 66.94,16.08 66.94,17.29 arc(66.9,17.5) 66.78,17.68 55.4,29.06 arc(55.28,29.24) 55.24,29.45 v1(55.24,31.63)
GPIO 0: length 26
  Top w0.25: v1(54.27,22.28) 52.89,20.9 arc(52.77,20.73) 52.73,20.52 U1.27 ; v1(49.99,25.26) 49.72,25.26 arc(49.51,25.3) 49.33,25.42 SW2.2 ; R69.2 40.03,25.72 arc(40.18,25.62) 40.34,25.59 42.04,25.59 ; v1(46.68,28.3) 44.84,28.3 arc(44.63,28.26) 44.45,28.14 43.59,27.28 arc(43.48,27.11) 43.43,26.9 43.43,26.05 arc(43.4,25.87) 43.3,25.72 arc(43.15,25.62) 42.97,25.59 42.4,25.59 ; 42.04,25.59 42.4,25.59 ; 42.04,25.59 arc(41.99,25.59) 41.93,25.59 ; 41.93,25.59 41.9,25.59 arc(41.69,25.63) 41.51,25.75 C9.1 ; 41.93,25.59 42.4,25.59
  Bottom w0.25: v1(46.68,28.3) 46.82,28.3 arc(46.94,28.28) 47.04,28.21 v1(49.99,25.26) 50.18,25.26 arc(50.36,25.22) 50.51,25.12 53.19,22.44 arc(53.37,22.32) 53.58,22.28 v1(54.27,22.28)
latch pin: length 78.1
  Top w0.25: 17.13,27.78 17.96,27.78 arc(18.16,27.83) 18.34,27.94 20.11,29.71 arc(20.28,29.83) 20.49,29.87 26.03,29.87 arc(26.24,29.91) 26.42,30.03 27.13,30.74 arc(27.3,30.86) 27.51,30.9 28.59,30.9 arc(28.8,30.86) 28.97,30.74 29.88,29.83 arc(29.97,29.77) 30.06,29.75 arc(30.16,29.73) 30.24,29.68 30.81,29.12 arc(30.98,29) 31.19,28.96 v1(31.6,28.96) ; 17.13,27.78 arc(17.07,27.76) 17.04,27.69 ; 17.13,27.78 arc(17.05,27.8) 16.97,27.85 ; U11.12 26.37,22.95 arc(26.49,22.77) 26.53,22.56 26.53,21.87 arc(26.49,21.66) 26.37,21.49 26.18,21.29 arc(26,21.18) 25.79,21.14 24.94,21.14 arc(24.73,21.09) 24.55,20.98 23.62,20.05 arc(23.51,19.87) 23.46,19.66 23.46,18.33 arc(23.42,18.12) 23.3,17.94 v1(22.99,17.63) ; v1(52.86,29) 52.86,29 arc(52.85,29) 52.85,29 52.59,29.26 arc(52.41,29.38) 52.21,29.42 U1.19 ; U4.12 34.83,24.88 arc(34.73,25.02) 34.7,25.19 arc(34.73,25.36) 34.83,25.5 36.09,26.76 arc(36.27,26.88) 36.48,26.92 v1(37.37,26.92) ; 17.04,27.69 17.04,21.2 arc(17.08,20.99) 17.2,20.81 18.48,19.53 arc(18.66,19.41) 18.87,19.37 v1(20.01,19.37) ; 17.04,27.69 arc(17.02,27.78) 16.97,27.85 ; 16.97,27.85 15.65,29.18 arc(15.53,29.35) 15.49,29.56 15.49,32.74 arc(15.45,32.95) 15.33,33.13 15.14,33.32 arc(15.02,33.49) 14.98,33.7 14.98,34.04 arc(14.94,34.24) 14.82,34.42 U2.12
  Bottom w0.25: v1(31.6,28.96) 35.11,28.96 arc(35.32,28.92) 35.5,28.8 v1(37.37,26.92) 39.78,29.34 arc(39.96,29.45) 40.17,29.49 52.14,29.49 arc(52.35,29.45) 52.52,29.34 v1(52.86,29) ; v1(20.01,19.37) 20.01,18.68 arc(20.06,18.47) 20.17,18.3 20.68,17.79 arc(20.86,17.67) 21.07,17.63 v1(22.99,17.63)
